# KiCad board Scopefun_v2.kicad_pcb
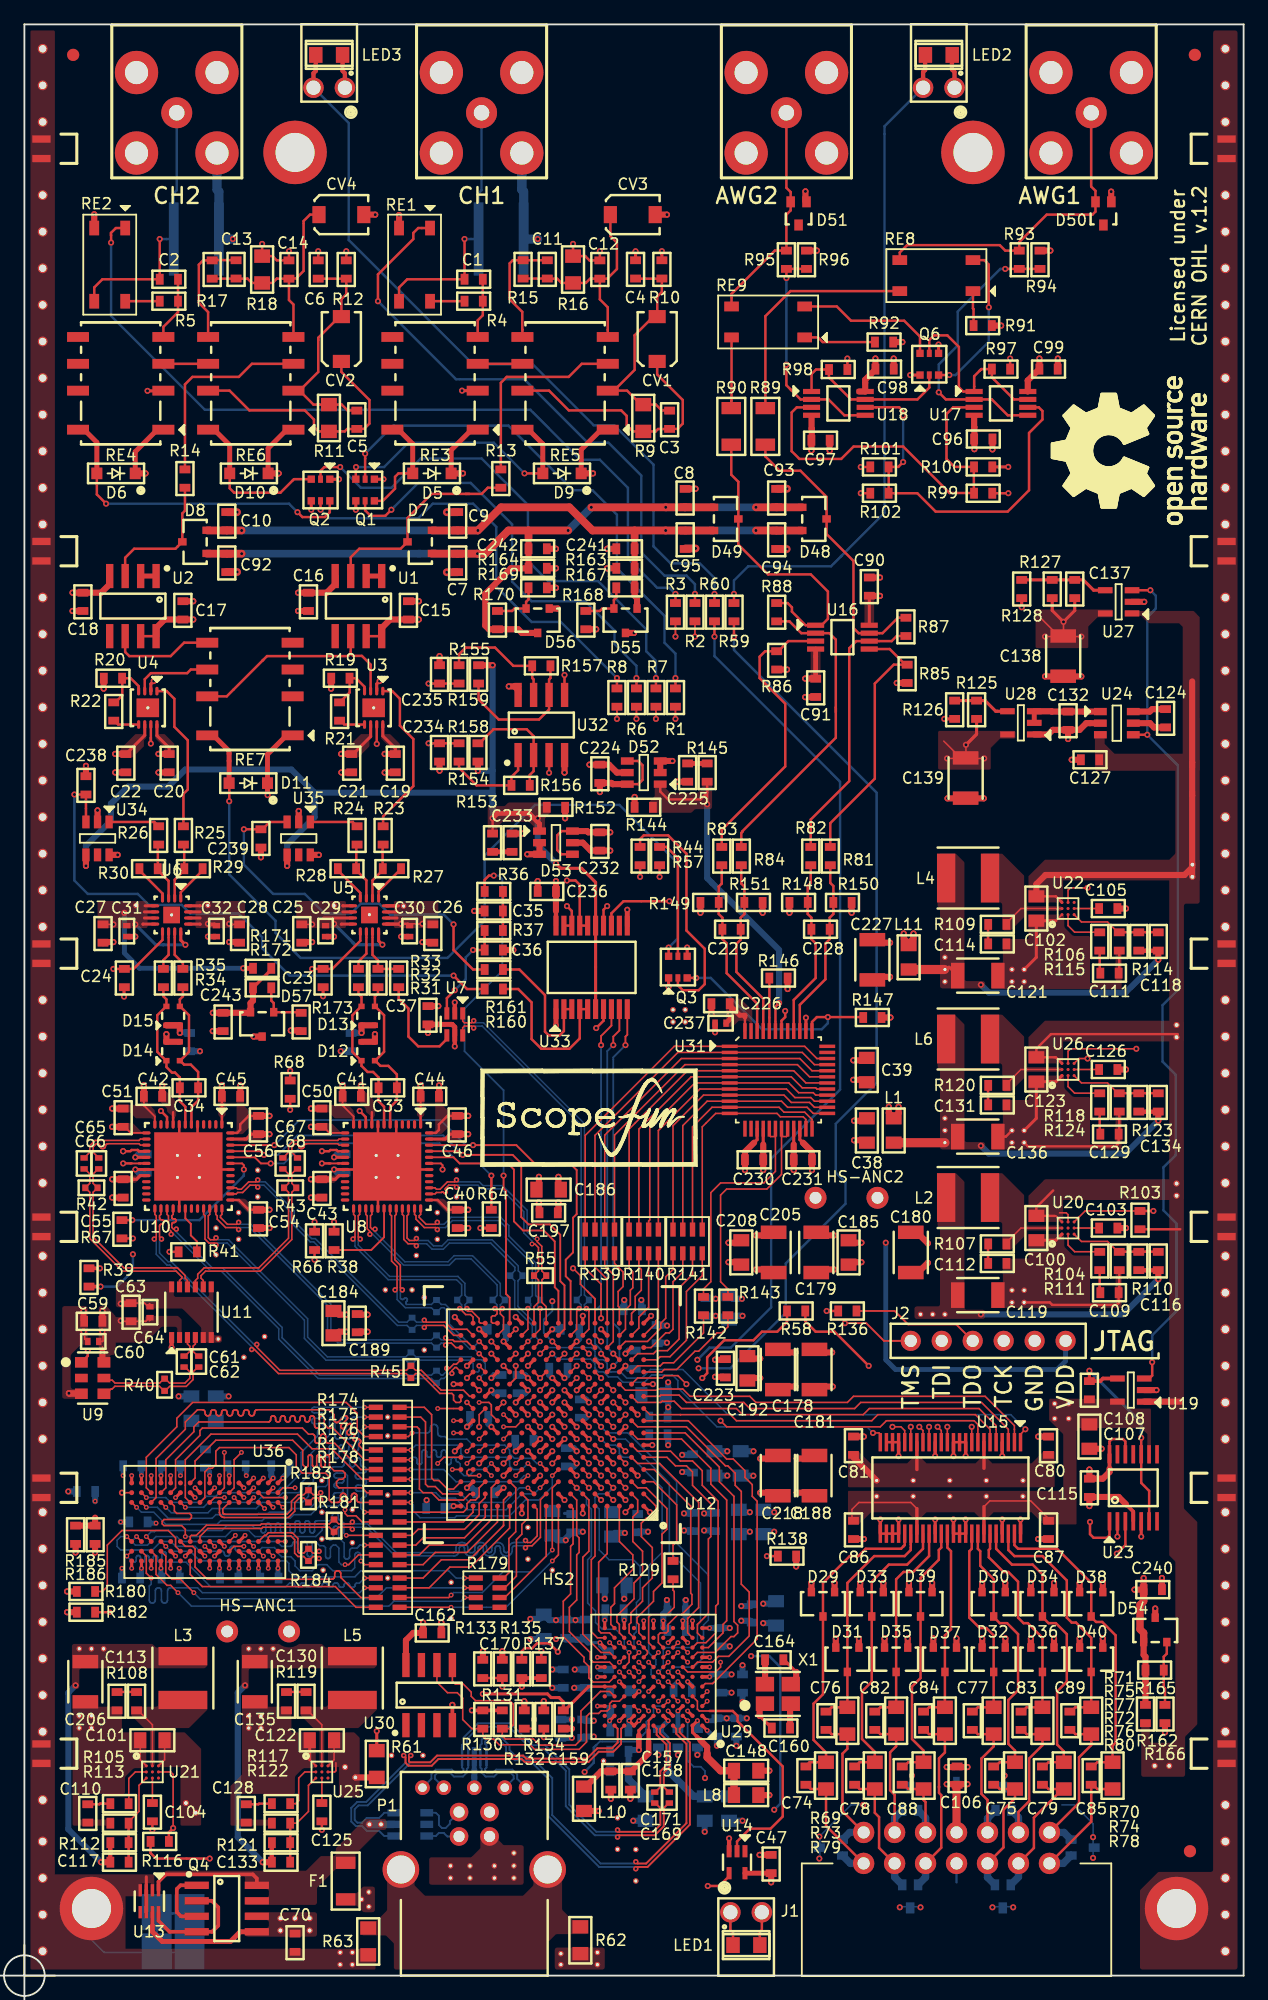
[diagram p0: board, top side]
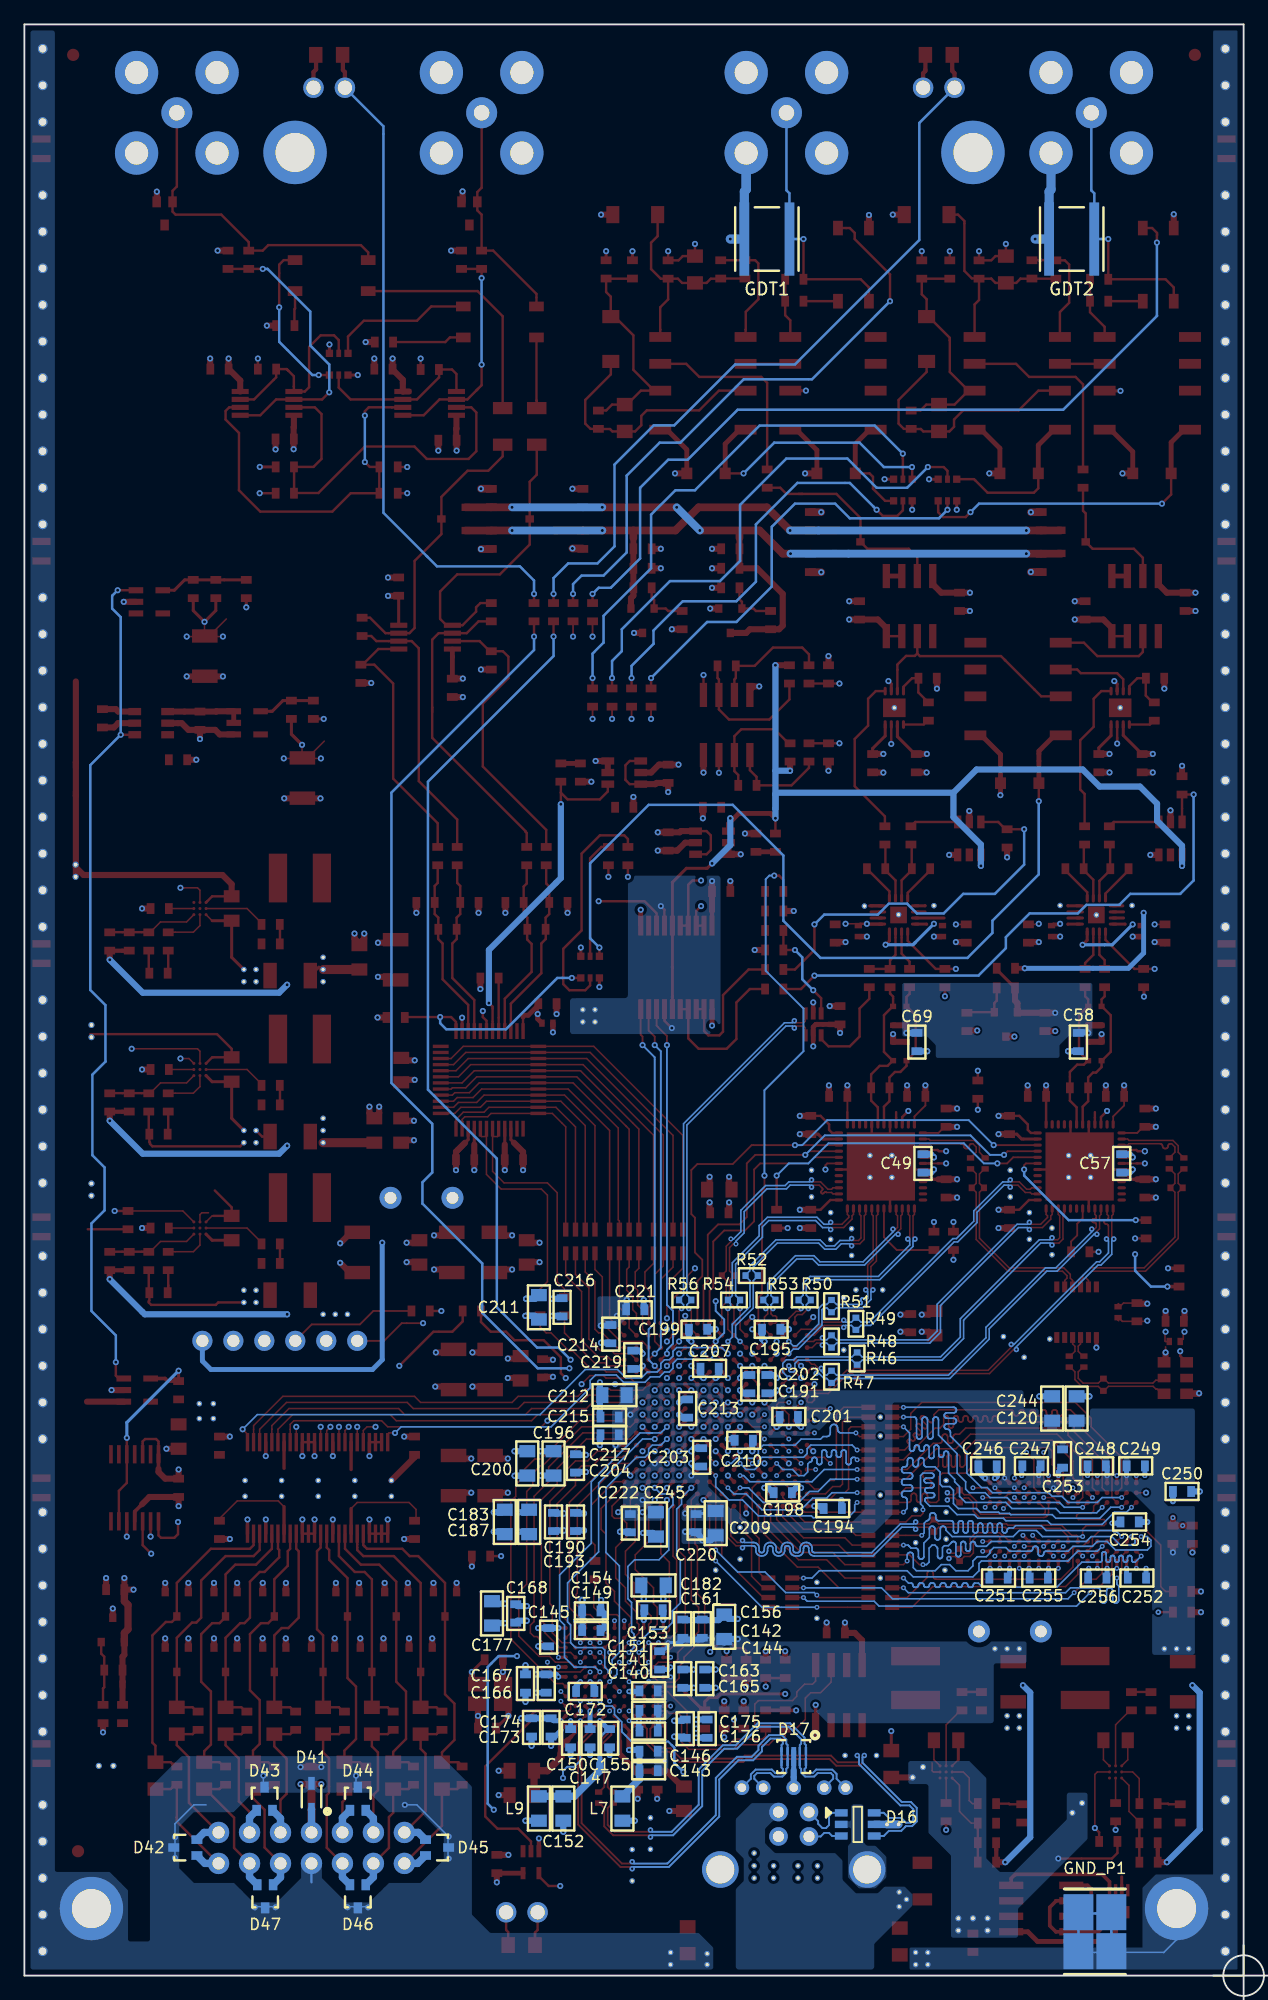
[diagram p1: board, bottom side, seen from below]

Outline 100 x 160 mm; copper layers: Top, In1.Cu (plane), In2.Cu, In3.Cu (plane), In4.Cu (plane), Bottom. Coordinates in mm from the lower left corner of the outline.
Outline path: 0,160 100,160 100,0 0,0 0,160

## Placement (name value [footprint] x y rotation side)
AWG1  BNC  [BNC-5-1634556-0]  87.5 152.75 0 top
AWG2  BNC  [BNC-5-1634556-0]  62.5 152.75 0 top
C1  C_22n  [C_0603]  36.85 139.1 270 top
C2  C_22n  [C_0603]  11.85 139.1 270 top
C3  C_15p  [C_0603]  52.92 127.58 180 top
C4  C_360p  [C_0603]  50.13 139.91 180 top
C5  C_15p  [C_0603]  27.27 127.58 180 top
C6  C_360p  [C_0603]  24.1 139.9 180 top
C7  C_0.1u  [C_0603]  35.54 115.84 0 top
C8  C_0.1u  [C_0603]  54.19 121.16 180 top
C9  C_0.1u  [C_0603]  35.54 119.26 180 top
C10  C_0.1u  [C_0603]  16.6 119.26 180 top
C11  C_390p  [C_0603]  42.89 139.91 0 top
C12  -  [C_0603]  47.2 139.9 180 top
C13  C_390p  [C_0603]  17.36 139.91 0 top
C14  -  [C_0603]  21.7 139.9 180 top
C15  C_0.1u  [C_0603]  31.5 111.95 0 top
C16  C_0.1u  [C_0603]  23.3 112.65 0 top
C17  C_0.1u  [C_0603]  13 111.95 0 top
C18  C_0.1u  [C_0603]  4.8 112.65 0 top
C19  C_0.1u  [C_0603]  30.43 99.42 180 top
C20  C_0.1u  [C_0603]  11.88 99.42 180 top
C21  C_0.1u  [C_0603]  26.85 99.42 180 top
C22  C_0.1u  [C_0603]  8.32 99.42 180 top
C23  C_0.1u  [C_0603]  24.5 81.8 0 top
C24  C_0.1u  [C_0603]  8.2 81.8 0 top
C25  C_0.1u  [C_0603]  22.75 85.45 0 top
C26  C_0.1u  [C_0603]  33.5 85.45 0 top
C27  C_0.1u  [C_0603]  6.45 85.45 180 top
C28  C_0.1u  [C_0603]  17.65 85.45 180 top
C29  C_10n  [C_0402]  24.7 85.65 0 top
C30  C_10n  [C_0402]  31.6 85.65 0 top
C31  C_10n  [C_0402]  8.4 85.65 0 top
C32  C_10n  [C_0402]  15.75 85.65 0 top
C33  C_2p  [C_0603]  29.8 72.8 270 top
C34  C_2p  [C_0603]  13.5 72.8 270 top
C35  C_0.1u  [C_0603]  38.5 87.3 270 top
C36  C_0.1u  [C_0603]  38.5 84.1 90 top
C37  C_0.1u  [C_0603]  33.1 78.75 0 top
C38  C_22u  [C_0805]  69.1 69.3 0 top
C39  C_22u  [C_0805]  69.09 74.25 180 top
C40  C_0.1u  [C_0603]  35.5 62.05 0 top
C41  C_0.1u  [C_0603]  26.85 72.1 270 top
C42  C_0.1u  [C_0603]  10.55 72.1 270 top
C43  C_0.1u  [C_0603]  24.4 64.55 0 top
C44  C_0.1u  [C_0603]  33.25 72.1 90 top
C45  C_0.1u  [C_0603]  16.95 72.1 90 top
C46  C_0.1u  [C_0603]  35.5 69.75 180 top
C47  C_0.1u  [C_0603]  61.25 9.15 180 top
C49  C_0.1u  [C_0603]  26.3 66.6 180 bottom
C50  C_0.1u  [C_0603]  24.4 70.35 180 top
C51  C_0.1u  [C_0603]  8.1 70.35 180 top
C54  C_0.1u  [C_0603]  19.2 62.05 0 top
C55  C_0.1u  [C_0603]  8.1 64.55 0 top
C56  C_0.1u  [C_0603]  19.2 69.75 180 top
C57  C_0.1u  [C_0603]  10 66.6 180 bottom
C58  C_0.1u  [C_0603]  13.55 76.55 180 bottom
C59  C_0.1u  [C_0603]  5.65 53.65 270 top
C60  C_10n  [C_0402]  5.65 52 270 top
C61  C_10n  [C_0402]  13.1 50.35 180 top
C62  C_10n  [C_0402]  14.3 50.35 180 top
C63  C_0.1u  [C_0603]  8.75 54.4 180 top
C64  C_10n  [C_0402]  10.3 54.4 180 top
C65  C_10n  [C_0402]  4.9 66.6 180 top
C66  C_10n  [C_0402]  6.1 66.6 180 top
C67  C_10n  [C_0402]  21.2 66.6 180 top
C68  C_10n  [C_0402]  22.4 66.6 180 top
C69  C_0.1u  [C_0603]  26.8 76.55 180 bottom
C70  C_10u  [C_0603]  22.2 2.7 0 top
C74  C_10n  [C_0603]  64.1 16.4 180 top
C75  C_10n  [C_0603]  79.5 16.4 180 top
C76  C_10n  [C_0603]  65.75 20.9 180 top
C77  C_10n  [C_0603]  77.75 20.9 180 top
C78  C_10n  [C_0603]  68.1 16.4 180 top
C79  C_10n  [C_0603]  83.5 16.4 180 top
C80  C_0.1u  [C_0603]  84 43.45 180 top
C81  C_0.1u  [C_0603]  68 43.45 180 top
C82  C_10n  [C_0603]  69.75 20.9 180 top
C83  C_10n  [C_0603]  81.75 20.9 180 top
C84  C_10n  [C_0603]  73.75 20.9 180 top
C85  C_10n  [C_0603]  87.5 16.4 180 top
C86  C_0.1u  [C_0603]  68 36.55 0 top
C87  C_0.1u  [C_0603]  84 36.55 0 top
C88  C_10n  [C_0603]  72 16.4 180 top
C89  C_10n  [C_0603]  85.75 20.9 180 top
C90  C_0.1u  [C_0603]  69.3 113.9 180 top
C91  C_0.1u  [C_0603]  64.9 105.6 0 top
C92  C_0.1u  [C_0603]  16.6 115.84 0 top
C93  C_0.1u  [C_0603]  61.7 121.16 180 top
C94  C_0.1u  [C_0603]  61.7 117.74 0 top
C95  C_0.1u  [C_0603]  54.2 117.74 0 top
C96  C_0.1u  [C_0603]  78.65 126 90 top
C97  C_0.1u  [C_0603]  65.3 125.9 90 top
C98  C_0.1u  [C_0603]  70.55 131.73 90 top
C99  C_0.1u  [C_0603]  84 131.73 90 top
C100  C_22u  [C_0805]  83 61.3 0 top
C101  C_22u  [C_0805]  10.5 19.3 270 top
C102  C_22u  [C_0805]  83 87.5 0 top
C103  C_0.1u  [C_0603]  88.9 61.3 90 top
C104  C_0.1u  [C_0603]  10.5 13.4 0 top
C105  C_0.1u  [C_0603]  88.9 87.5 90 top
C106  C_10n  [C_0603]  76.5 16.4 180 top
C107  C_22u  [C_0805]  87.35 44.2 0 top
C108  C_10n  [C_0603]  87.35 48 180 top
C109  C_10n  [C_0603]  89 56 90 top
C110  C_10n  [C_0603]  5.2 13.3 0 top
C111  C_10n  [C_0603]  89 82.2 90 top
C112  C_1n  [C_0603]  79.8 58.4 90 top
C113  C_1n  [C_0603]  7.6 22.5 0 top
C114  C_1n  [C_0603]  79.8 84.6 90 top
C115  C_0.1u  [C_0603]  87.35 40 0 top
C116  C_180p  [C_0603]  93 58.6 180 top
C117  C_180p  [C_0603]  7.8 9.3 90 top
C118  C_180p  [C_0603]  93 84.8 180 top
C119  C_100u  [C_1210]  78.2 55.8 270 top
C120  C_22u  [C_0805]  13.7 46.5 0 bottom
C121  C_100u  [C_1210]  78.2 82 270 top
C122  C_22u  [C_0805]  24.4 19.3 270 top
C123  C_22u  [C_0805]  83 74.3 0 top
C124  C_1u  [C_0603]  93.6 103.1 0 top
C125  C_0.1u  [C_0603]  24.4 13.4 0 top
C126  C_0.1u  [C_0603]  88.9 74.3 90 top
C127  C_10u  [C_0603]  87.4 99.7 270 top
C128  C_10n  [C_0603]  18.2 13.3 0 top
C129  C_10n  [C_0603]  89 69 90 top
C130  C_1n  [C_0603]  21.5 22.5 0 top
C131  C_1n  [C_0603]  79.8 71.4 90 top
C132  C_10u  [C_0603]  85.6 102.9 0 top
C133  C_180p  [C_0603]  21.05 9.3 90 top
C134  C_180p  [C_0603]  93 71.6 180 top
C135  C_100u  [C_1210]  18.9 24.1 180 top
C136  C_100u  [C_1210]  78.2 68.8 270 top
C137  C_10n  [C_0603]  86.15 113.7 180 top
C138  C_47u  [C_1210]  85.2 108.2 180 top
C139  C_47u  [C_1210]  77.2 98.2 180 top
C140  C_0.1u  [C_0603]  48.8 20.05 270 bottom
C141  C_10n  [C_0603]  48.8 21.75 270 bottom
C142  C_0.1u  [C_0603]  44.4 28.45 0 bottom
C143  C_2.2u  [C_0603]  48.8 16.8 90 bottom
C144  C_10n  [C_0603]  46 28.45 0 bottom
C145  C_0.1u  [C_0603]  57 27.75 0 bottom
C146  C_0.1u  [C_0603]  48.8 18.4 90 bottom
C147  C_10n  [C_0603]  53.6 19.46 180 bottom
C148  C_22u  [C_0805]  59.2 16.8 90 top
C149  C_0.1u  [C_0603]  53.5 28.3 270 bottom
C150  C_0.1u  [C_0603]  55.2 19.46 180 bottom
C151  C_10n  [C_0603]  48.8 23.35 270 bottom
C152  C_22u  [C_0805]  55.8 13.7 180 bottom
C153  C_0.1u  [C_0603]  47.9 25.85 180 bottom
C154  C_0.1u  [C_0603]  53.5 29.9 270 bottom
C155  C_0.1u  [C_0603]  52 19.46 180 bottom
C156  C_22u  [C_0805]  42.6 28.6 0 bottom
C157  C_10n  [C_0603]  49.7 16 0 top
C158  C_0.1u  [C_0603]  48.1 16 0 top
C159  C_0.1u  [C_0603]  44.2 21 0 top
C160  C_12p  [C_0603]  62.05 20.3 90 top
C161  C_0.1u  [C_0603]  48.4 30 90 bottom
C162  C_0.1u  [C_0603]  33.45 28.1 90 top
C163  C_0.1u  [C_0603]  44.2 24.35 180 bottom
C164  C_12p  [C_0603]  61.5 25.9 270 top
C165  C_10n  [C_0603]  46 24.35 180 bottom
C166  C_0.1u  [C_0603]  58.9 23.95 180 bottom
C167  C_10n  [C_0603]  57.2 23.95 180 bottom
C168  C_0.1u  [C_0603]  59.7 29.7 0 bottom
C169  C_0.1u  [C_0402]  52.9 14.6 180 top
C170  C_0.1u  [C_0603]  39.2 25.15 180 top
C171  C_0.1u  [C_0402]  51.7 14.6 180 top
C172  C_10n  [C_0603]  54 23.3 270 bottom
C173  C_0.1u  [C_0603]  58.4 20.35 180 bottom
C174  C_10n  [C_0603]  56.8 20.35 180 bottom
C175  C_0.1u  [C_0603]  44 20.25 180 bottom
C176  C_10n  [C_0603]  45.8 20.25 180 bottom
C177  C_22u  [C_0805]  61.65 29.7 0 bottom
C178  C_100u  [C_1210]  61.8 49.7 0 top
C179  C_100u  [C_1210]  64.95 59.3 180 top
C180  C_47u  [C_1210]  72.7 59.3 180 top
C181  -  [C_1210]  64.8 49.7 0 top
C182  C_4.7u  [C_0805]  48.4 32 90 bottom
C183  C_4.7u  [C_0805]  60.6 37.2 180 bottom
C184  C_4.7u  [C_0805]  25.35 53.5 0 top
C185  C_4.7u  [C_0805]  67.6 59.3 0 top
C186  C_4.7u  [C_0805]  43 64.45 270 top
C187  C_4.7u  [C_0805]  58.6 37.2 180 bottom
C188  -  [C_1210]  64.8 41 180 top
C189  C_u47  [C_0603]  27.3 53.5 0 top
C190  C_u47  [C_0603]  54.8 37.2 180 bottom
C191  C_u47  [C_0603]  39.1 48.5 180 bottom
C192  C_4.7u  [C_0805]  59.3 49.8 180 top
C193  C_u47  [C_0603]  56.6 37.2 180 bottom
C194  C_u47  [C_0603]  33.7 38.3 90 bottom
C195  C_u47  [C_0603]  38.75 53 270 bottom
C196  C_4.7u  [C_0805]  56.6 42 180 bottom
C197  C_u47  [C_0603]  43 62.55 270 top
C198  C_u47  [C_0603]  37.8 39.6 90 bottom
C199  C_u47  [C_0603]  44.75 53 90 bottom
C200  -  [C_0805]  58.75 42 180 bottom
C201  C_u47  [C_0603]  37.3 45.85 270 bottom
C202  C_u47  [C_0603]  40.5 48.5 180 bottom
C203  C_u47  [C_0603]  44.45 42.5 180 bottom
C204  C_u47  [C_0603]  54.8 42 180 bottom
C205  C_47u  [C_1210]  61.45 59.3 0 top
C206  C_47u  [C_1210]  5 24.1 180 top
C207  C_u47  [C_0603]  43.8 49.8 270 bottom
C208  C_4.7u  [C_0805]  58.8 59.3 180 top
C209  C_4.7u  [C_0805]  43.3 37.1 180 bottom
C210  -  [C_0603]  41 43.9 270 bottom
C211  C_4.7u  [C_0805]  57.8 54.8 0 bottom
C212  C_4.7u  [C_0805]  51.6 47.6 270 bottom
C213  -  [C_0603]  45.6 46.5 0 bottom
C214  C_u47  [C_0603]  51.9 52.6 180 bottom
C215  C_u47  [C_0603]  52 45.8 270 bottom
C216  C_u47  [C_0603]  55.9 54.8 0 bottom
C217  C_u47  [C_0603]  52 44.35 270 bottom
C218  C_47u  [C_1210]  61.8 41 180 top
C219  C_u47  [C_0603]  50.1 50.5 0 bottom
C220  C_u47  [C_0603]  44.9 37.1 180 bottom
C221  C_u47  [C_0603]  49.9 54.6 90 bottom
C222  C_u47  [C_0603]  50.3 37.1 180 bottom
C223  C_u47  [C_0603]  57.5 49.8 180 top
C224  C_2.2u  [C_0603]  47.2 98.55 180 top
C225  C_2.2u  [C_0603]  54.4 98.65 0 top
C226  C_1u  [C_0603]  57.1 79.7 270 top
C227  C_100u  [C_1210]  69.55 83.3 180 top
C228  -  [C_0603]  65.3 85.8 270 top
C229  -  [C_0603]  58 85.8 270 top
C230  C_0.1u  [C_0603]  59.85 66.9 270 top
C231  C_0.1u  [C_0603]  63.85 66.9 270 top
C232  C_2.2u  [C_0603]  47.2 93 0 top
C233  C_2.2u  [C_0603]  40 92.9 180 top
C234  C_0.1u  [C_0603]  34.05 100.3 0 top
C235  C_0.1u  [C_0603]  34.05 106.7 180 top
C236  C_0.1u  [C_0603]  42.85 88.9 270 top
C237  C_10n  [C_0402]  57.1 78.1 270 top
C238  C_0.1u  [C_0603]  5.05 97.6 180 top
C239  C_0.1u  [C_0603]  19.4 93.25 0 top
C240  C_10u  [C_0603]  92.55 31.65 90 top
C241  C_10u  [C_0603]  49.3 117 270 top
C242  C_10u  [C_0603]  42.1 117 270 top
C243  C_10u  [C_0603]  16.3 78.2 0 top
C244  C_22u  [C_0805]  15.7 46.5 0 bottom
C245  C_22u  [C_0805]  48.2 37 180 bottom
C246  C_0.1u  [C_0603]  21 41.8 90 bottom
C247  C_0.1u  [C_0603]  17.4 41.8 270 bottom
C248  C_0.1u  [C_0603]  12.05 41.8 270 bottom
C249  C_0.1u  [C_0603]  8.85 41.8 90 bottom
C250  C_1u  [C_0603]  5.05 39.7 90 bottom
C251  C_0.1u  [C_0603]  20.1 32.6 270 bottom
C252  C_0.1u  [C_0603]  8.75 32.6 90 bottom
C253  C_10n  [C_0603]  14.85 42.4 180 bottom
C254  C_10n  [C_0603]  9.35 37.2 90 bottom
C255  C_0.1u  [C_0603]  16.8 32.6 90 bottom
C256  C_0.1u  [C_0603]  12 32.6 270 bottom
CH1  BNC  [BNC-5-1634556-0]  37.5 152.75 0 top
CH2  BNC  [BNC-5-1634556-0]  12.5 152.75 0 top
CV1  CV_2.0-6.0_pF  [SGC3]  51.9 134.2 0 top
CV2  CV_2.0-6.0_pF  [SGC3]  26 134.2 0 top
CV3  CV_2.0-6.0_pF  [SGC3]  49.9 144.4 270 top
CV4  CV_2.0-6.0_pF  [SGC3]  26 144.4 270 top
D5  1N4148W  [SOD123]  33.43 123.18 270 top
D6  1N4148W  [SOD123]  7.52 123.18 270 top
D7  BAV199  [SOT23]  32.42 117.57 90 top
D8  BAV199  [SOT23]  13.95 117.57 90 top
D9  1N4148W  [SOD123]  44.09 123.18 270 top
D10  1N4148W  [SOD123]  18.42 123.18 270 top
D11  1N4148W  [SOD123]  18.37 97.78 270 top
D12  RB851YT2R  [SOT-543]  28.2 75.8 180 top
D13  RB851YT2R  [SOT-543]  28.2 78.7 180 top
D14  RB851YT2R  [SOT-543]  12.2 75.8 180 top
D15  RB851YT2R  [SOT-543]  12.2 78.7 180 top
D16  82400102  [SOT23-6]  31.65 12.4 270 bottom
D17  SP3010-04UTG  [uDFN-10]  36.9 17.96 270 bottom
D29  BAV199  [SOT23]  65.5 30.45 180 top
D30  BAV199  [SOT23]  79.5 30.45 180 top
D31  BAV199  [SOT23]  67.5 25.9 180 top
D32  BAV199  [SOT23]  79.5 25.9 180 top
D33  BAV199  [SOT23]  69.5 30.45 180 top
D34  BAV199  [SOT23]  83.5 30.45 180 top
D35  BAV199  [SOT23]  71.5 25.9 180 top
D36  BAV199  [SOT23]  83.5 25.9 180 top
D37  BAV199  [SOT23]  75.5 25.9 180 top
D38  BAV199  [SOT23]  87.5 30.45 180 top
D39  BAV199  [SOT23]  73.5 30.45 180 top
D40  BAV199  [SOT23]  87.5 25.9 180 top
D41  ESDA8V2-1J  [SOD323]  76.45 14.7 0 bottom
D42  ESD7002  [SOT323]  86.8 10.5 90 bottom
D43  ESD7002  [SOT323]  80.3 14.5 180 bottom
D44  ESD7002  [SOT323]  72.65 14.5 180 bottom
D45  ESD7002  [SOT323]  66.15 10.5 270 bottom
D46  ESD7002  [SOT323]  72.65 6.5 0 bottom
D47  ESD7002  [SOT323]  80.25 6.5 0 bottom
D48  BAV199  [SOT23]  64.8 119.45 270 top
D49  BAV199  [SOT23]  57.56 119.45 270 top
D50  ESD7002  [SOT323]  88.5 144.5 180 top
D51  ESD7002  [SOT323]  63.5 144.5 180 top
D52  MCP1501-12  [SOT23-6]  50.8 98.65 90 top
D53  MCP1501-18  [SOT23-6]  43.6 92.9 270 top
D54  LM431  [SOT23]  92.75 28.35 0 top
D55  LM431  [SOT23]  49.3 111.1 180 top
D56  LM431  [SOT23]  42.1 111.1 180 top
D57  TLV431A  [SOT23]  19.5 78 180 top
F1  1206L150  [R_1206]  26.35 7.75 180 top
FID1  -  [FID_1mm_2mm]  95.6 10.2 0 top
FID2  -  [FID_1mm_2mm]  96 157.5 0 top
FID3  -  [FID_1mm_2mm]  4 157.5 0 top
GDT1  GDT_SH90  [GDT_SH]  39.1 142.4 0 bottom
GDT2  GDT_SH90  [GDT_SH]  14.1 142.4 0 bottom
GND_P1  -  [WP-SMRA]  12.2 3.6 180 bottom
HS2  HEATSINK  [HS2]  43.3 46 0 top
HS-ANC1  -  [HS-ANC]  19.17 28.22 0 top
HS-ANC2  -  [HS-ANC]  67.43 63.78 0 top
J1  -  [DIL14_RA]  76.45 9.2 0 top
J2  -  [SIL6]  79.05 52.05 0 top
L1  Z_68  [L_0805]  71.3 69.3 180 top
L2  L_4.7u  [L_NRS]  77.4 63.8 90 top
L3  L_4.7u  [L_NRS]  13 24.4 0 top
L4  L_4.7u  [L_NRS]  77.4 90 90 top
L5  L_4.7u  [L_NRS]  26.9 24.4 0 top
L6  L_4.7u  [L_NRS]  77.4 76.8 90 top
L7  Z_68  [L_0805]  50.95 13.7 0 bottom
L8  Z_68  [L_0805]  59.2 14.8 270 top
L9  Z_68  [L_0805]  57.8 13.7 0 bottom
L10  Z_68  [L_0805]  45.9 14.5 180 top
L11  Z_68  [L_0805]  72.53 83.5 0 top
LED1  598-8150-107F  [LED_0805]  59.22 2.5 270 top
LED2  598-8150-107F  [LED_0805]  75 157.5 90 top
LED3  598-8150-107F  [LED_0805]  25 157.5 90 top
MH1  -  [MountingHole_3.2mm_M3_Pad]  22.2 149.5 0 top
MH2  -  [MountingHole_3.2mm_M3_Pad]  77.8 149.5 0 top
MH3  -  [MountingHole_3.2mm_M3_Pad]  94.5 5.5 0 top
MH4  -  [MountingHole_3.2mm_M3_Pad]  5.5 5.5 0 top
P1  -  [USB3_TypeB]  36.9 8.7 0 top
Q1  BSS138BKS  [SOT363]  27.95 121.82 0 top
Q2  BSS138BKS  [SOT363]  24.29 121.82 0 top
Q3  BSS138BKS  [SOT363]  53.6 82.7 180 top
Q4  DMN6040SSD  [SOIC8]  16.6 5.5 0 top
Q6  BSS138BKS  [SOT363]  74.22 132.14 180 top
R1  R_1.02k  [R_0603]  53.4 104.8 180 top
R2  R_240R  [R_0603]  55 111.8 180 top
R3  R_240R  [R_0603]  53.4 111.8 180 top
R4  R_56R  [R_0603]  36.85 137.3 270 top
R5  R_56R  [R_0603]  11.85 137.3 270 top
R6  R_1.02k  [R_0603]  50.2 104.8 0 top
R7  R_1.02k  [R_0603]  51.8 104.8 180 top
R8  R_1.02k  [R_0603]  48.6 104.8 0 top
R9  R_953k_0.1%  [R_0805]  50.76 127.72 180 top
R10  R_47k  [R_0603]  52.29 139.91 180 top
R11  R_953k_0.1%  [R_0805]  24.98 127.72 180 top
R12  R_47k  [R_0603]  26.4 139.9 180 top
R13  R_100R  [R_0603]  39.08 122.76 0 top
R14  R_100R  [R_0603]  13.17 122.76 0 top
R15  R_49.9k  [R_0603]  40.9 139.91 0 top
R16  R_953k_0.1%  [R_0805]  45 139.9 180 top
R17  R_49.9k  [R_0603]  15.4 139.9 0 top
R18  R_953k_0.1%  [R_0805]  19.5 139.9 180 top
R19  R_100R  [R_0603]  25.92 106.39 270 top
R20  R_100R  [R_0603]  7.26 106.39 270 top
R21  R_100R  [R_0603]  25.85 103.66 180 top
R22  R_100R  [R_0603]  7.33 103.66 180 top
R23  R_240R  [R_0603]  29.42 93.5 180 top
R24  R_240R  [R_0603]  27.29 93.5 180 top
R25  R_240R  [R_0603]  13.04 93.5 180 top
R26  R_240R  [R_0603]  11.01 93.5 180 top
R27  R_402R  [R_0603]  30.14 90.77 270 top
R28  R_402R  [R_0603]  26.46 90.77 90 top
R29  R_402R  [R_0603]  13.87 90.77 270 top
R30  R_402R  [R_0603]  10.19 90.77 90 top
R31  R_499R  [R_0603]  30.7 81.8 180 top
R32  R_100R  [R_0603]  29 81.8 180 top
R33  R_100R  [R_0603]  27.4 81.8 180 top
R34  R_100R  [R_0603]  13 81.8 180 top
R35  R_100R  [R_0603]  11.4 81.8 180 top
R36  R_6.8k  [R_0603]  38.5 88.9 270 top
R37  R_6.8k  [R_0603]  38.5 85.7 90 top
R38  R_10k  [R_0603]  25.4 60.25 180 top
R39  R_2.2k  [R_0603]  5.3 57.25 180 top
R40  R_100  [R_0402]  11.5 48.45 0 top
R41  R_10k  [R_0603]  13.4 59.35 270 top
R42  R_100  [R_0402]  5.5 64.6 90 top
R43  R_100  [R_0402]  21.8 64.6 90 top
R44  R_1.02k  [R_0603]  50.5 91.8 180 top
R45  R_100  [R_0402]  31.7 49.5 180 top
R46  R_100  [R_0402]  31.7 50.6 0 bottom
R47  R_100  [R_0402]  33.8 49.1 180 bottom
R48  R_100  [R_0402]  33.8 52 0 bottom
R49  R_100  [R_0402]  31.8 53.45 0 bottom
R50  R_100  [R_0402]  36 55.4 270 bottom
R51  R_100  [R_0402]  33.8 54.9 180 bottom
R52  R_100  [R_0402]  40.35 57.4 270 bottom
R53  R_100  [R_0402]  38.9 55.4 270 bottom
R54  R_100  [R_0402]  41.8 55.4 270 bottom
R55  R_100  [R_0402]  42.3 57.4 90 top
R56  R_100  [R_0402]  45.8 55.4 270 bottom
R57  R_1.02k  [R_0603]  52.1 91.8 0 top
R58  R_100R  [R_0603]  63.3 54.5 270 top
R59  R_100R  [R_0603]  58.2 111.8 0 top
R60  R_100R  [R_0603]  56.6 111.8 0 top
R61  R_0R  [R_0805]  28.9 17.35 0 top
R62  R_0R  [R_0805]  45.6 2.9 0 top
R63  R_0R  [R_0805]  28.2 2.8 0 top
R64  R_1.02k  [R_0603]  38.3 62.05 180 top
R66  R_4k7  [R_0603]  23.8 60.25 180 top
R67  R_4k7  [R_0603]  8 61.2 0 top
R68  R_2.2k  [R_0603]  21.8 72.65 180 top
R69  R_1k_0.5W  [R_0805]  65.75 16.4 180 top
R70  R_1k_0.5W  [R_0805]  81.25 16.4 180 top
R71  R_1k_0.5W  [R_0805]  67.5 20.9 180 top
R72  R_1k_0.5W  [R_0805]  79.5 20.9 180 top
R73  R_1k_0.5W  [R_0805]  69.75 16.4 180 top
R74  R_1k_0.5W  [R_0805]  85.25 16.4 180 top
R75  R_1k_0.5W  [R_0805]  71.5 20.9 180 top
R76  R_1k_0.5W  [R_0805]  83.5 20.9 180 top
R77  R_1k_0.5W  [R_0805]  75.5 20.9 180 top
R78  R_1k_0.5W  [R_0805]  89.25 16.4 180 top
R79  R_1k_0.5W  [R_0805]  73.75 16.4 180 top
R80  R_1k_0.5W  [R_0805]  87.5 20.9 180 top
R81  R_0R  [R_0603]  66.1 91.8 0 top
R82  R_0R  [R_0603]  64.5 91.8 0 top
R83  R_0R  [R_0603]  57.2 91.8 0 top
R84  R_0R  [R_0603]  58.8 91.8 0 top
R85  R_240R  [R_0603]  72.4 106.75 180 top
R86  R_240R  [R_0603]  61.7 107.85 180 top
R87  R_240R  [R_0603]  72.3 110.6 0 top
R88  R_240R  [R_0603]  61.7 111.8 0 top
R89  R_48.7R_0.25W  [R_1206]  60.77 127.03 0 top
R90  R_48.7R_0.25W  [R_1206]  57.98 127.03 0 top
R91  R_499R  [R_0603]  78.6 135.3 270 top
R92  R_499R  [R_0603]  70.51 133.95 90 top
R93  R_499k  [R_0603]  81.6 140.7 0 top
R94  R_22k  [R_0603]  83.3 140.7 180 top
R95  R_499k  [R_0603]  62.5 140.7 0 top
R96  R_22k  [R_0603]  64.15 140.7 180 top
R97  R_10k  [R_0603]  80.1 131.73 270 top
R98  R_10k  [R_0603]  66.75 131.7 270 top
R99  R_49.9k  [R_0603]  78.64 121.56 270 top
R100  R_1.5k  [R_0603]  78.64 123.72 90 top
R101  R_1.5k  [R_0603]  70.13 123.72 90 top
R102  R_49.9k  [R_0603]  70.13 121.56 270 top
R103  R_20k  [R_0603]  91.5 61.95 180 top
R104  R_15k  [R_0603]  88.2 58.6 180 top
R105  R_10k  [R_0603]  7.8 14.1 90 top
R106  R_22k  [R_0603]  88.2 84.8 180 top
R107  R_1R  [R_0603]  79.8 60 270 top
R108  R_1R  [R_0603]  9.2 22.5 180 top
R109  R_1R  [R_0603]  79.8 86.2 270 top
R110  R_10k  [R_0603]  91.4 58.6 180 top
R111  R_15k  [R_0603]  89.8 58.6 0 top
R112  R_15k  [R_0603]  7.8 10.9 90 top
R113  R_10k  [R_0603]  7.8 12.5 270 top
R114  R_10k  [R_0603]  91.4 84.8 180 top
R115  R_2.2k  [R_0603]  89.8 84.8 0 top
R116  R_20k  [R_0603]  11.1 11 90 top
R117  R_10k  [R_0603]  21.05 14.1 90 top
R118  R_22k  [R_0603]  88.2 71.6 180 top
R119  R_1R  [R_0603]  23.1 22.5 180 top
R120  R_1R  [R_0603]  79.8 73 270 top
R121  R_10k  [R_0603]  21.05 10.9 90 top
R122  R_10k  [R_0603]  21.05 12.5 270 top
R123  R_20k  [R_0603]  91.4 71.6 180 top
R124  R_10k  [R_0603]  89.8 71.6 0 top
R125  R_100k  [R_0603]  78.1 103.8 180 top
R126  R_47k  [R_0603]  76.3 103.8 0 top
R127  R_100k  [R_0603]  84.3 113.7 180 top
R128  R_49.9k  [R_0603]  81.8 113.7 0 top
R129  R_56R  [R_0603]  53.2 33.25 0 top
R130  R_2.2k  [R_0603]  37.6 21 0 top
R131  R_2.2k  [R_0603]  39.2 21 0 top
R132  R_200R  [R_0603]  41 21 180 top
R133  R_100k  [R_0603]  37.59 25.15 0 top
R134  R_6.04k  [R_0603]  42.6 21 180 top
R135  R_2.2k  [R_0603]  40.8 25.15 180 top
R136  R_56R  [R_0603]  67.5 54.5 270 top
R137  R_2.2k  [R_0603]  42.4 25.15 180 top
R138  R_2.2k  [R_0603]  62.55 34.4 270 top
R139  RA_27R  [R_CRA06E]  47.2 60.2 90 top
R140  RA_27R  [R_CRA06E]  50.8 60.2 90 top
R141  RA_27R  [R_CRA06E]  54.4 60.2 90 top
R142  R_56R  [R_0603]  55.7 54.9 0 top
R143  R_56R  [R_0603]  57.7 54.9 0 top
R144  R_1.02k  [R_0603]  50.8 95.8 270 top
R145  R_56R  [R_0603]  56 98.65 180 top
R146  R_4k7  [R_0603]  61.85 81.8 270 top
R147  R_4k7  [R_0603]  69.55 78.57 270 top
R148  R_100R  [R_0603]  63.5 88 270 top
R149  R_100R  [R_0603]  56.2 88 270 top
R150  R_100R  [R_0603]  67.1 88 90 top
R151  R_100R  [R_0603]  59.8 88 90 top
R152  R_1.02k  [R_0603]  43.6 95.8 90 top
R153  R_56R  [R_0603]  38.4 92.9 0 top
R154  R_1.02k  [R_0603]  37.2 100.3 0 top
R155  R_1.02k  [R_0603]  37.25 106.7 180 top